# Altium PCB as14120_all.PcbDoc (part 3 of 4)
Units mm, origin at the board's own origin, x right, y up, seen from the top; angles counter-clockwise.
Board outline 130 x 100 mm, 6 copper layers (Top Layer, GND_top, Signal_Power, Signal_midle, GND_bot, Bottom Layer), stack 1.003 mm thick; 383 components, 353 nets, 2210 pads, 1060 vias.
Unrouted connection lines stored in the file: 634.
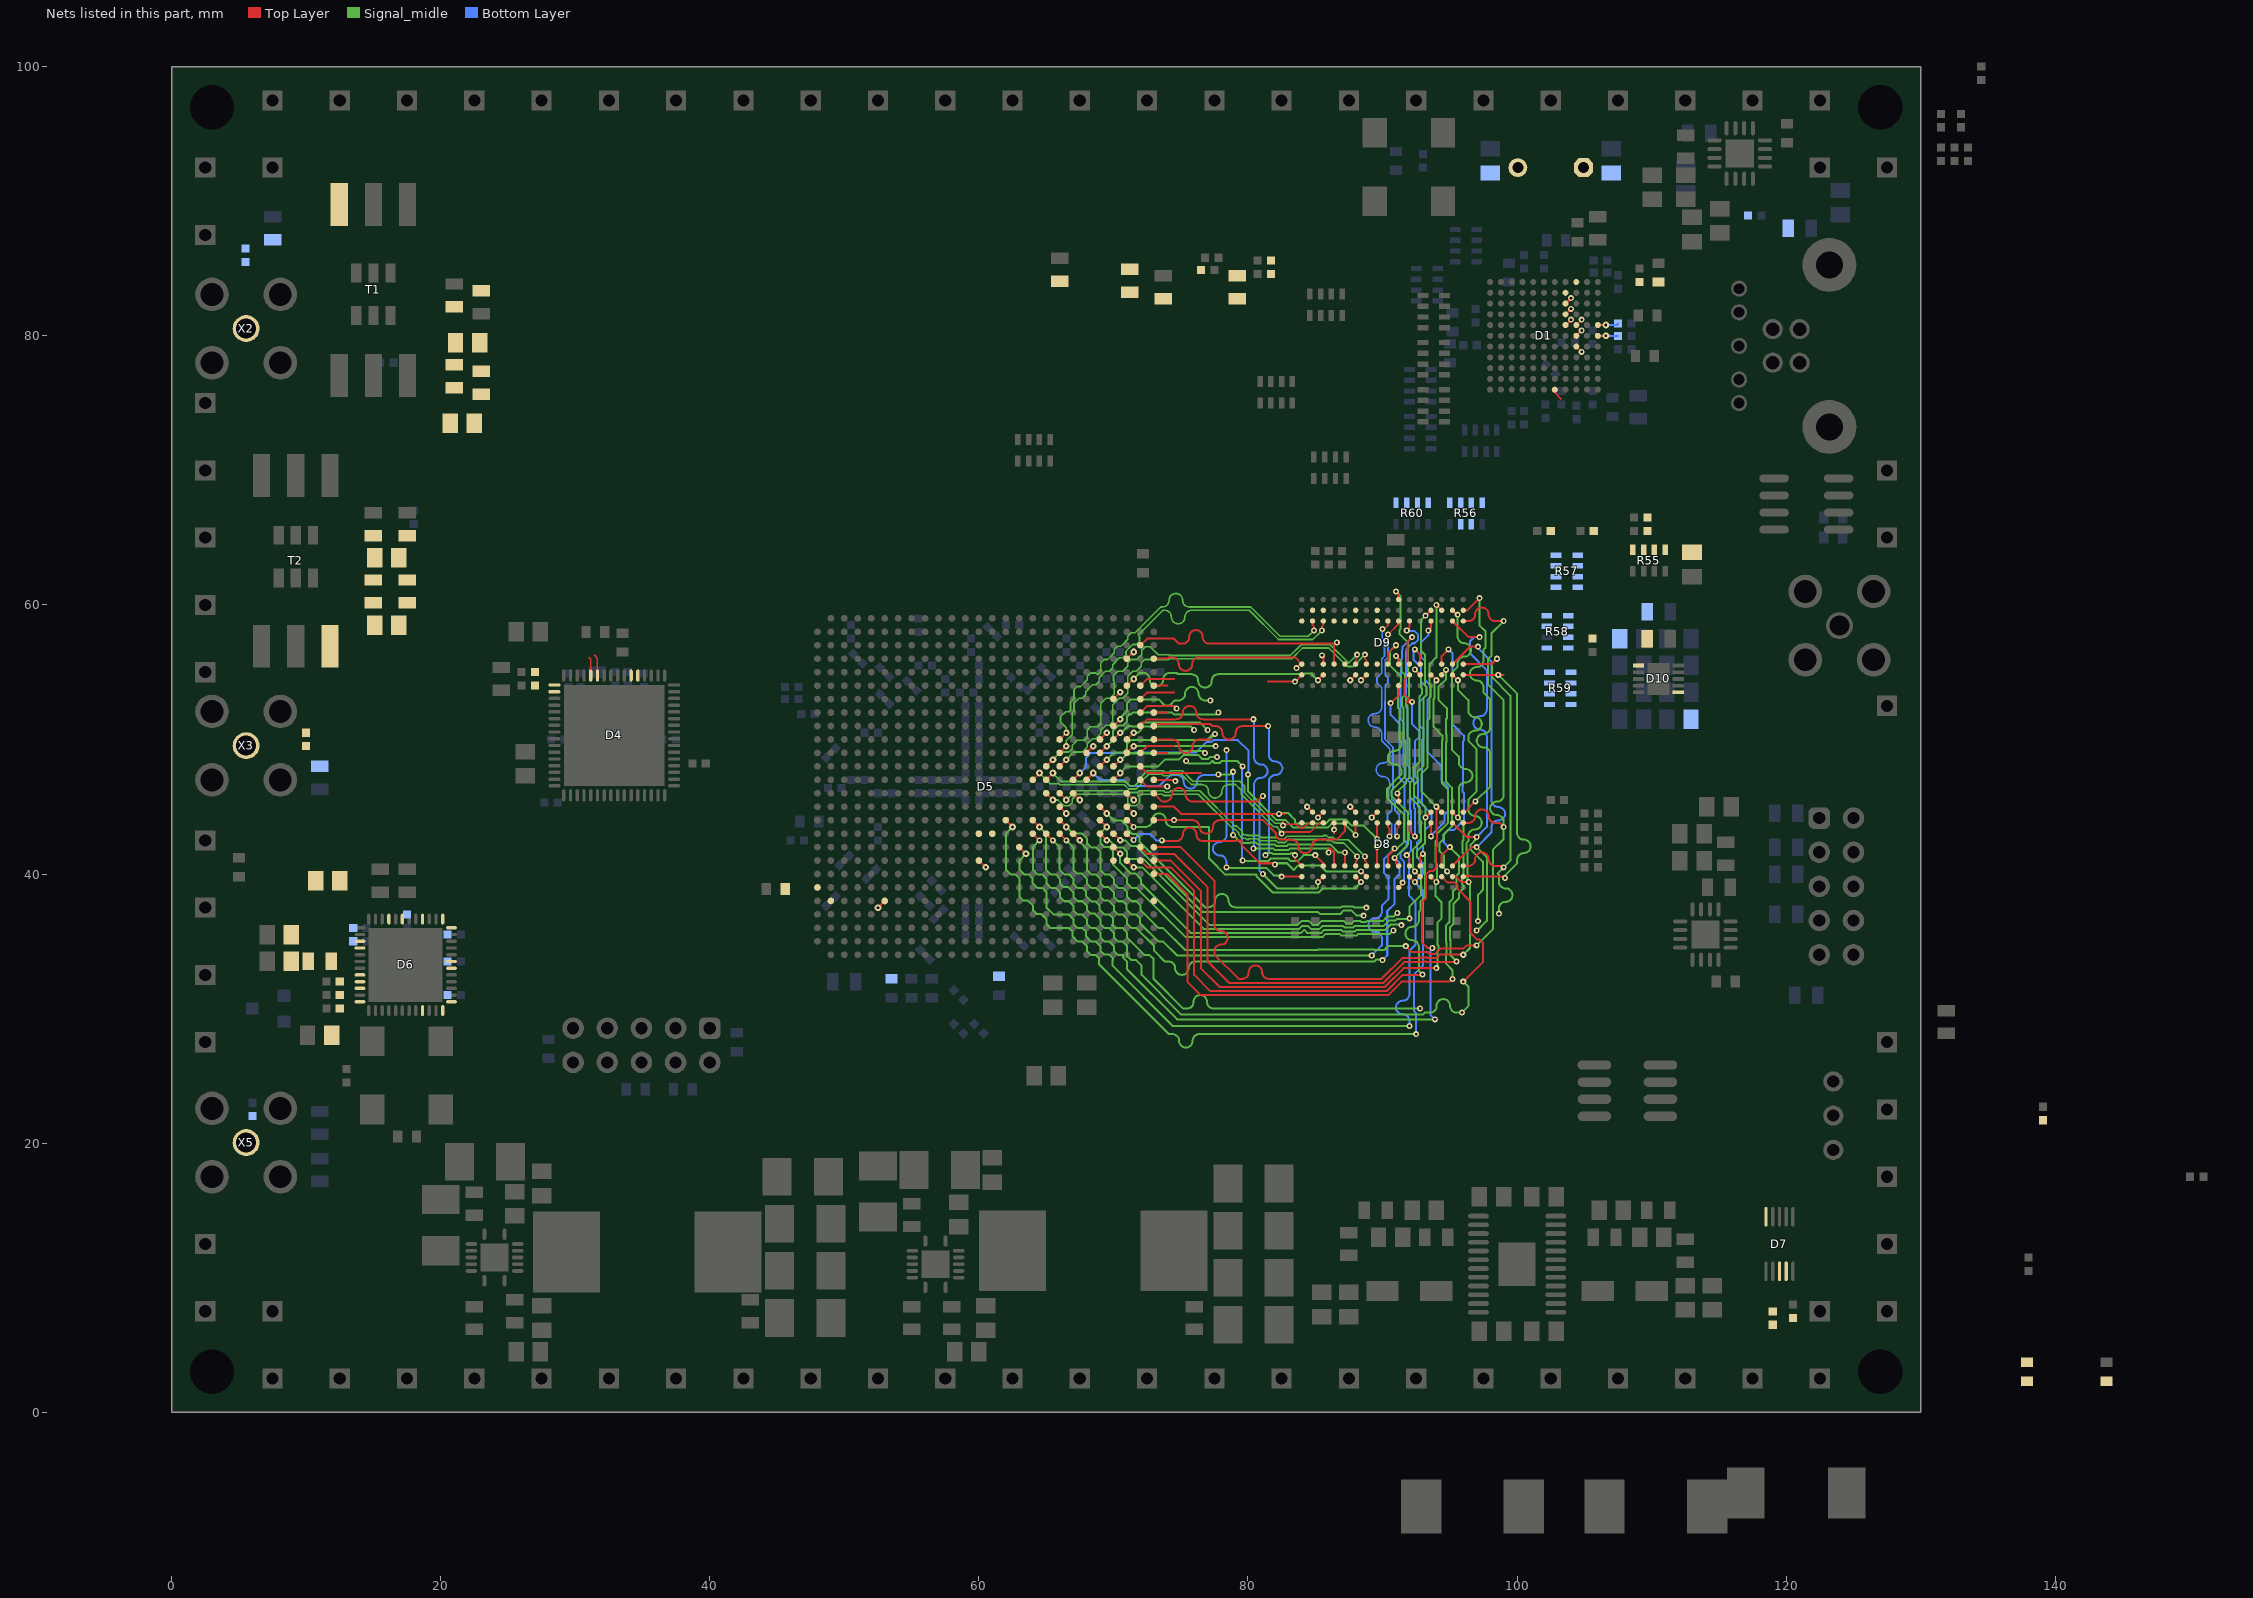
[diagram p6: the nets of this part, all layers, seen from the top]

## Via types
v1: diameter 0.5, hole 0.2, Top Layer to Bottom Layer, 705 vias
v2: diameter 0.45, hole 0.2, Top Layer to Bottom Layer, 314 vias
v3: diameter 0.5, hole 0.25, Top Layer to Bottom Layer, 38 vias
v4: diameter 0.45, hole 0.25, Top Layer to Bottom Layer, 3 vias

## Nets (pads, with @x,y where several pads share a name; then routed paths per layer and width w, separated by ;. In a path a pad name is that pad's centre, name@x,y a point inside that pad or via, vN(x,y) a via of type N, cw(c..) or ccw(c..) an arc to the next point about the centre after c; other vN are vias at no path point) (continued)
DDR_A2: D5.AF7 D8.P3 D9.P3 R59.5 | length 60.3
  Top Layer w0.15: D5.AF7@73,40 74,40 75.5,38.5 75.5,32 76.5,31 90.421,31 91.421,32 95,32 v2(95.2,32.2) ; D8.P3@94.4,40.6 94.4,41.4 v2(95,42) ; D9.P3@94.4,55.6 94.4,56.2 v2(94.9,56.7)
  Signal_midle w0.15: v2(95,42) 95.7,41.3 95.7,40.076 95.55,39.926 95.55,39.889 95.5,39.839 95.5,38.976 95.25,38.726 95.25,38.189 94.975,37.914 94.975,36.43 94.725,36.18 94.725,34.96 94.75,34.935 94.75,34.065 94.725,34.04 94.725,33.336 95.2,32.861 v2(95.2,32.2)
  Bottom Layer w0.15: v2(94.9,56.7) 95.2,56.4 95.2,54.636 95.15,54.586 95.15,54.214 95.15,51.186 96.05,50.286 96.05,49.914 95.975,49.839 95.975,48.309 95.991,48.309 95.991,46.528 95.95,46.486 95.95,46.114 96.05,46.014 96.05,44.014 95.323,43.286 94.9,43.286 94.55,42.936 94.55,42.35 94.9,42 v2(95,42)
DDR_A3: D5.AF8 D8.N2 D9.N2 R58.5 | length 52.8
  Top Layer w0.15: D5.AF8@73,41 74.25,41 76.5,38.75 76.5,33 77.9,31.6 90.173,31.6 91.573,33 v2(94,33) ; D8.N2@93.6,39.8 v2(94,39.4) ; D9.N2@93.6,54.8 v2(94,54.4)
  Signal_midle w0.15: v2(94,33) 94.075,33.075 94.075,34.239 94.15,34.314 94.15,34.686 94.075,34.761 94.075,36.379 94.375,36.679 94.375,37.921 93.95,38.346 93.95,39.35 v2(94,39.4) 94.05,39.45 94.05,40.738 93.95,40.838 93.95,42.435 94.05,42.535 94.05,42.986 94.85,43.786 94.85,46.286 94.425,46.711 94.425,47.493 ; v2(94,54.4) 93.85,54.25 93.85,53.041 93.8,52.991 93.8,50.936 94.45,50.286 94.45,49.914 94.418,49.882 94.418,47.493
DDR_A4: D5.U10 D8.P8 D9.P8 R56.6 | length 73.9
  Top Layer w0.15: D5.U10@64,43 v2(64.5,42.5) ; v2(93.7,34.5) 93.35,34.5 92.95,34.9 92.95,37.922 93.225,38.197 93.225,39.955 93.495,40.225 93.755,40.225 93.975,40.445 93.975,41.975 94.05,42.05 94.05,42.986 94,43.036 v2(94,45) ; v2(94,60) D9.P8@94.4,59.6 ; v2@94.136,44.875 94.005,45.005 v2(94,45) ; 94.2,44.8 v2(94,45) ; D8.P8@94.4,44.6 v2(94,45)
  Signal_midle w0.15: v2(64.5,42.5) 64.025,42.025 64.025,40.303 64.353,39.975 64.697,39.975 65.025,39.647 65.025,39.303 65.353,38.975 65.697,38.975 66.025,38.647 66.025,38.303 66.353,37.975 66.697,37.975 67.025,37.647 67.025,37.303 67.353,36.975 67.697,36.975 68.025,36.647 68.025,36.303 68.353,35.975 68.697,35.975 69.025,35.647 69.025,35.303 69.353,34.975 69.697,34.975 70.025,34.647 70.025,34.303 70.353,33.975 70.697,33.975 70.725,33.947 70.725,33.779 71.025,33.479 71.025,33.297 71.025,32.903 74.728,29.2 v2(93.9,29.2) ; v2(94,60) 94,56.1 93.5,55.6 93.5,54.085 93.55,54.035 93.55,53.165 93.5,53.115 93.5,51.576 93.35,51.426 93.35,47.926 92.9,47.476 92.9,46.1 v2(94,45) v2@94.005,45.005
  Bottom Layer w0.15: v2(93.7,34.5) 93.55,34.35 93.55,29.55 v2(93.9,29.2)
DDR_A5: D5.U11 D8.P2 D9.P2 R58.8 | length 72.3
  Top Layer w0.15: D5.U11@64,44 v1(64.5,43.5) ; D8.P2@94.4,39.8 94.825,39.375 95.355,39.375 95.575,39.155 95.575,38.895 96.55,37.92 96.55,35.614 97.014,35.15 97.186,35.15 97.45,34.886 97.45,33.45 v2(96,32) ; D9.P2@94.4,54.8 94.4,54.858 v2(94.721,55.179)
  Signal_midle w0.15: v1(64.5,43.5) 64.975,43.025 64.975,40.353 65.353,39.975 65.697,39.975 66.025,39.647 66.025,39.303 66.303,39.025 66.647,39.025 67.025,38.647 67.025,38.303 67.353,37.975 67.697,37.975 68.05,37.622 68.05,37.314 68.314,37.05 68.622,37.05 69.025,36.647 69.025,36.303 69.353,35.975 69.697,35.975 70.025,35.647 70.025,35.303 70.353,34.975 70.697,34.975 71.025,34.647 71.025,33.903 71.303,33.625 71.647,33.625 72.1,33.172 72.1,32.5 75.05,29.55 92.986,29.55 93.136,29.7 93.517,29.7 ccw(c93.517,30.2) 94.017,30.2 cw(c94.517,30.2) 95.017,30.2 ccw(c95.517,30.2) 95.517,29.7 v2(95.9,29.7) 96.4,30.2 96.4,31.6 v2(96,32) ; v2(94.721,55.179) 94.721,54.485 94.15,53.913 94.15,52.95 94.775,52.325 94.775,51.575 94.718,51.518 94.718,50.442 94.75,50.411 94.75,49.789 94.718,49.758 94.718,49.406 94.725,49.399 94.725,46.836 95.15,46.411 95.15,43.55 94.55,42.95 94.55,42.611 94.25,42.311 94.25,41.689 94.55,41.389 94.55,40.45 v2(94.8,40.2)
  Bottom Layer w0.15: v2(94.8,40.2) v2@94.95,40.05 ; v2(96,32) v2@96,32.036
DDR_A6: D5.AE9 D8.R8 D9.R8 R57.7 | length 62.1
  Top Layer w0.15: D5.AE9@72,42 72.5,41.5 74.5,41.5 77,39 77,33.5 78.6,31.9 90.049,31.9 91.598,33.45 92.935,33.45 92.985,33.5 93.215,33.5 93.265,33.45 95.45,33.45 v2(95.5,33.5) ; D8.R8@95.2,44.6 v2(95.6,44.2) ; D9.R8@95.2,59.6 95.521,59.279 v2(95.579,59.279)
  Signal_midle w0.15: v2(95.5,33.5) 95.05,33.95 95.05,35.059 95.025,35.084 95.025,36.056 95.275,36.306 95.275,37.79 95.7,38.215 95.7,38.6 96,38.9 96,39.163 95.9,39.263 95.9,39.851 96,39.951 96,41.515 95.95,41.565 95.95,42.435 96,42.485 96,43.8 v2(95.6,44.2) 95.675,44.275 95.675,46.307 cw(c96.175,46.307) 96.175,46.807 ccw(c96.175,47.307) 96.175,47.807 cw(c96.175,48.307) 95.675,48.307 95.675,48.725 95.15,49.25 95.15,54.971 95.579,55.4 95.579,55.654 cw(c96.079,55.654) 96.079,56.154 ccw(c96.079,56.654) 96.079,57.154 cw(c96.079,57.654) 95.579,57.654 v2(95.579,59.279)
DDR_A7: D5.AF9 D8.R2 D9.R2 R59.6 | length 59.1
  Top Layer w0.15: D5.AF9@73,42 75,42 77.5,39.5 77.5,36.254 ccw(c78,36.254) 78,35.754 cw(c78,35.254) 78,34.754 ccw(c78,34.254) 77.5,34.254 77.5,34 79.3,32.2 79.554,32.2 ccw(c79.554,32.7) 80.054,32.7 cw(c80.554,32.7) 81.054,32.7 ccw(c81.554,32.7) 81.554,32.2 89.924,32.2 91.474,33.75 92.81,33.75 92.861,33.8 93.339,33.8 93.389,33.75 94.011,33.75 94.261,34 v2(96,34) ; D8.R2@95.2,39.8 95.47,39.8 95.87,39.4 v2(96.4,39.4) ; D9.R2@95.2,54.8 v2(95.6,54.4)
  Signal_midle w0.15: v2(95.6,54.4) 95.6,53.698 96.375,52.924 96.375,52.154 ccw(c96.875,52.154) 96.875,51.654 cw(c96.875,51.154) 96.875,50.654 ccw(c96.875,50.154) 96.375,50.154 96.375,49.9 97,49.275 97,46.137 96.375,45.511 96.375,44.816 ccw(c96.875,44.816) 96.875,44.316 cw(c96.875,43.816) 96.875,43.316 ccw(c96.875,42.816) 96.375,42.816 96.375,42.435 96.25,42.311 96.25,41.689 96.3,41.639 96.3,39.5 v2@96.375,39.425 ; v2(96,34) 96.5,34.5 96.5,39.3 v2(96.4,39.4)
DDR_A8: D5.AB12 D8.T8 D9.T8 R57.8 | length 45.5
  Top Layer w0.15: D5.AB12@69,45 v1(69.5,44.5) ; D8.T8@96,44.6 96.1,44.6 v2@96.9,45.4 ; D9.T8@96,59.6 96.3,59.6 v2(97.2,60.5)
  Signal_midle w0.15: v1(69.5,44.5) 70.025,43.975 70.597,43.975 71.05,43.522 71.05,43.314 71.389,42.975 71.686,42.975 71.95,42.711 71.95,42.378 76.803,37.525 77.057,37.525 ccw(c77.057,38.025) 77.557,38.025 cw(c78.057,38.025) 78.557,38.025 ccw(c79.057,38.025) 79.057,37.525 86.929,37.525 87.005,37.601 87.427,37.601 87.453,37.575 87.821,37.575 87.896,37.5 v2(88.8,37.5) ; v2(96.9,45.4) 98,46.5 98,48.913 ccw(c97.5,48.913) 97.5,49.413 cw(c97.5,49.913) 97.5,50.413 ccw(c97.5,50.913) 98,50.913 98,53 97.5,53.5 97.5,53.881 ccw(c97,53.881) 97,54.381 cw(c97,54.881) 97,55.381 ccw(c97,55.881) 97.5,55.881 97.5,56.664 97.65,56.814 97.65,58.05 97.2,58.5 v2(97.2,60.5)
DDR_A9: D5.AB11 D8.R3 D9.R3 R59.7 | length 56.4
  Top Layer w0.15: D5.AB11@69,44 v1(69.5,43.5) ; D8.R3@95.2,40.6 96.6,42 v2(97,42) ; D9.R3@95.2,55.6 96.5,56.9 v2(97.1,56.9)
  Signal_midle w0.15: v1(69.5,43.5) 69.025,43.025 69.025,42.303 69.303,42.025 69.647,42.025 69.975,41.697 69.975,40.697 71.025,39.647 71.025,39.303 71.353,38.975 71.697,38.975 75.347,35.325 85.569,35.325 85.794,35.55 86.805,35.55 86.93,35.425 88.069,35.425 88.194,35.55 90.55,35.55 v2(90.8,35.8) ; v2(97,35.8) 97.036,35.8 97.75,36.514 97.75,41.25 v2(97,42)
  Bottom Layer w0.15: v2(97,42) 98.1,43.1 98.1,43.481 cw(c98.6,43.481) 98.6,43.981 ccw(c98.6,44.481) 98.6,44.981 cw(c98.6,45.481) 98.1,45.481 98.1,55.764 97.1,56.764 v2(97.1,56.9)
DDR_A10: D5.AC9 D8.L7 D9.L7 | length 43.9
  Top Layer w0.15: D5.AC9@70,42 v1(70.5,41.5) ; v2(91.8,58.1) 92,58.3 D9.L7@92,58.8 ; D8.L7@92,43.8 92,43.2 v2(92.4,42.8)
  Signal_midle w0.15: v1(70.5,41.5) 70.5,40.828 71.303,40.025 71.647,40.025 72.05,39.622 72.05,39.314 75.739,35.625 83.945,35.625 84.17,35.85 84.395,35.625 85.445,35.625 85.67,35.85 86.929,35.85 87.055,35.725 87.945,35.725 88.07,35.85 90.214,35.85 90.614,36.25 91.35,36.25 v2(91.4,36.2)
  Bottom Layer w0.15: v2(91.8,58.1) 91.75,58.05 92.386,58.05 92.65,57.786 92.65,57.414 92.386,57.15 92.214,57.15 91.8,56.736 91.8,56.576 91.75,56.526 91.75,53.5 91.75,52.399 91.85,52.299 91.85,48.074 92,47.924 92,47.249 92.35,46.899 92.35,44.901 92.4,44.851 v2(92.4,42.8)
DDR_A11: D5.AC8 D8.R7 D9.R7 R57.5 | length 29
  Top Layer w0.15: D8.R7@95.2,43.8 96.25,42.75 v2(97,42.75) ; D9.R7@95.2,58.8 96.4,57.6 v2(97.2,57.6)
  Signal_midle w0.15: v2(97,42.75) 97,42.636 96.55,42.186 96.55,41.814 97.45,40.914 97.45,38.814 97.1,38.464 v2(97.1,36.5)
  Bottom Layer w0.15: v2(97,42.75) 97.75,43.5 97.75,50.231 ccw(c97.25,50.231) 97.25,50.731 cw(c97.25,51.231) 97.25,51.731 ccw(c97.25,52.231) 97.75,52.231 97.75,55.15 96.5,56.4 96.5,57.3 96.8,57.6 v2(97.2,57.6)
DDR_A12: D5.AB10 D8.N7 D9.N7 R56.7 | length 45
  Top Layer w0.15: D5.AB10@69,43 v1(69.5,42.5) ; v2(93.4,58.1) 93.6,58.3 D9.N7@93.6,58.8 ; v2(93.6,42.8) 93.55,42.8 93.6,42.85 D8.N7@93.6,43.8
  Signal_midle w0.15: v1(69.5,42.5) 69.7,42.5 70.225,41.975 70.697,41.975 71,41.672 71,41.1 72.247,41.1 77.122,36.225 83.697,36.225 83.997,36.525 84.503,36.525 84.803,36.225 85.197,36.225 85.497,36.525 87.103,36.525 87.303,36.325 87.697,36.325 87.897,36.525 88.339,36.525 88.414,36.45 88.786,36.45 88.861,36.525 90.04,36.525 90.365,36.85 90.85,36.85 v2(91.1,37.1)
  Bottom Layer w0.15: v2(93.4,58.1) 93.4,57.739 92.85,57.189 92.85,56.15 93.15,55.85 93.15,54.435 93.55,54.035 93.55,53.165 93.35,52.965 93.35,49.05 94.4,48 94.4,46.926 94.85,46.476 94.85,44.65 94.6,44.4 94.6,43.85 93.55,42.8 v2(93.6,42.8)
DDR_A13: D5.AC10 D8.T3 D9.T3 R59.8 | length 49.4
  Top Layer w0.15: D5.AC10@70,43 v1(70.5,42.5) ; D8.T3@96,40.6 96.381,40.6 ccw(c96.381,41.1) 96.881,41.1 cw(c97.381,41.1) 97.881,41.1 ccw(c98.381,41.1) 98.381,40.6 98.9,40.6 v2(99,40.5) ; D9.T3@96,55.6 98.1,55.6 v2(98.5,56)
  Signal_midle w0.15: v1(70.5,42.5) 70.889,42.5 71.314,42.075 71.697,42.075 76.597,37.175 85.197,37.175 85.36,37.011 86.84,37.011 87.13,37.301 87.302,37.301 87.329,37.275 87.697,37.275 88.072,36.9 v2(88.6,36.9) ; v2(98.5,56) 98.15,55.65 98.15,54.613 99.5,53.263 99.5,41 v2(99,40.5) 98.55,40.05 98.65,39.95 98.65,39.431 ccw(c99.15,39.431) 99.15,38.931 cw(c99.15,38.431) 99.15,37.931 ccw(c99.15,37.431) 98.65,37.431 v2(98.65,37.05)
DDR_A14: D5.W11 D8.T7 D9.T7 R57.6 | length 72.7
  Top Layer w0.15: D5.W11@66,44 v1(66.5,43.5) ; v2(91.724,34.639) 92.164,34.2 93.364,34.2 93.514,34.05 93.886,34.05 94.286,34.45 96,34.45 96.25,34.7 v2(97,34.7) ; D8.T7@96,43.8 96.381,43.8 ccw(c96.381,44.3) 96.881,44.3 cw(c97.381,44.3) 97.881,44.3 ccw(c98.381,44.3) 98.381,43.8 98.7,43.8 v2(99,43.5) ; D9.T7@96,58.8 96.381,58.8 ccw(c96.381,59.3) 96.881,59.3 cw(c97.381,59.3) 97.881,59.3 ccw(c98.381,59.3) 98.381,58.8 v2(99,58.8)
  Signal_midle w0.15: v1(66.5,43.5) 66.975,43.025 67.647,43.025 68.025,42.647 68.025,42.303 68.353,41.975 68.697,41.975 69.025,41.647 69.025,40.303 69.353,39.975 69.697,39.975 70.025,39.647 70.025,39.303 70.353,38.975 70.697,38.975 71.025,38.647 71.025,38.303 71.353,37.975 71.697,37.975 72.025,37.647 72.025,37.303 73.353,35.975 73.697,35.975 75.322,34.35 83.686,34.35 84.813,34.35 85.186,34.35 85.236,34.4 89.386,34.4 89.436,34.35 90.119,34.35 90.408,34.639 v2(91.724,34.639) ; v2(97,34.7) 98.2,35.9 98.2,36.863 98.2,41.8 99,42.6 v2(99,43.5) 99,43.881 ccw(c98.5,43.881) 98.5,44.381 cw(c98.5,44.881) 98.5,45.381 ccw(c98.5,45.881) 99,45.881 99,52.9 97.85,54.05 97.85,55.986 98.1,56.236 98.1,57.9 v2(99,58.8)
DDR_BA0: D5.V10 D8.M2 D9.M2 | length 54.8
  Top Layer w0.15: D5.V10@65,43 v2(65.5,42.5) ; v2(92.4,40.2) D8.M2@92.8,39.8 ; v2(92.4,55.2) D9.M2@92.8,54.8
  Signal_midle w0.15: v2(65.5,42.5) 65.975,42.025 65.975,40.353 66.353,39.975 66.697,39.975 67.025,39.647 67.025,39.303 ; 67,39.3 67.325,38.975 67.697,38.975 67.975,38.697 67.975,38.353 68.378,37.95 68.686,37.95 68.95,37.686 68.95,37.378 69.353,36.975 69.697,36.975 69.975,36.697 69.975,36.303 69.886,36.214 70.125,35.975 70.697,35.975 71.025,35.647 71.025,35.275 72.325,33.975 72.697,33.975 72.975,33.697 72.975,32.225 75.2,30 75.454,30 ccw(c75.454,30.5) 75.954,30.5 cw(c76.454,30.5) 76.954,30.5 ccw(c77.454,30.5) 77.454,30 v2(92.8,30) ; v2(92.4,40.2) 92.25,40.35 92.25,41.811 92.85,42.41 92.85,43.914 92.75,44.014 92.75,44.989 92.05,45.689 92.05,46.777 92.3,47.027 92.3,47.9 92.75,48.35 92.75,53.214 92.95,53.413 92.95,53.786 92.85,53.886 92.85,54.75 v2(92.4,55.2)
DDR_BA1: D5.AD8 D8.N8 D9.N8 | length 49.1
  Top Layer w0.15: D5.AD8@71,41 v1(71.5,40.5) ; v2(93.2,44.2) D8.N8@93.6,44.6 ; v2(93.2,59.2) D9.N8@93.6,59.6
  Signal_midle w0.15: v1(71.5,40.5) 72.136,40.5 76.711,35.925 83.821,35.925 84.046,36.15 84.454,36.15 84.679,35.925 85.321,35.925 85.546,36.15 87.054,36.15 87.179,36.025 87.821,36.025 87.946,36.15 90.089,36.15 90.489,36.55 90.974,36.55 91.074,36.65 v2@91.95,36.65 ; v2(92,36.7) 92,37.564 92.85,38.414 92.85,41.014 92.55,41.314 92.55,41.686 93.15,42.286 93.15,44.15 v2(93.2,44.2) 93.2,44.964 92.35,45.814 92.35,46.653 92.6,46.903 92.6,47.6 93.05,48.05 93.05,53.089 93.25,53.289 93.25,53.911 93.15,54.01 93.15,56.314 92.85,56.614 92.85,58.85 v2(93.2,59.2)
DDR_BA2: D5.AE8 D8.M3 D9.M3 R58.7 | length 58.6
  Top Layer w0.15: D5.AE8@72,41 72.5,40.5 74.25,40.5 76,38.75 76,32.5 77.2,31.3 90.297,31.3 91.497,32.5 v2@92.95,32.5 ; v2(92.4,56.7) 92.8,56.3 D9.M3@92.8,55.6 ; D8.M3@92.8,40.6 92.8,41.3 v2(93,41.5)
  Signal_midle w0.15: v2(92.975,32.525) 92.7,32.8 92.7,34.578 ccw(c92.2,34.578) 92.2,35.078 cw(c92.2,35.578) 92.2,36.078 ccw(c92.2,36.578) 92.7,36.578 92.7,37.196 92.825,37.321 92.825,37.964 93.15,38.289 93.15,41.35 v2(93,41.5)
  Bottom Layer w0.15: v2(92.4,56.7) 92.3,56.8 92.3,55.936 92.85,55.386 92.85,54.31 93.25,53.911 93.25,53.289 92.75,52.789 92.75,51.011 93.05,50.711 93.05,50.089 92.95,49.989 92.95,45.15 93.65,44.45 93.65,43.75 93.15,43.25 93.15,42.286 93,42.136 v2(93,41.5)
DDR_CAS: D5.W10 D8.K3 D9.K3 | length 57.7
  Top Layer w0.15: D5.W10@66,43 v2(66.5,42.5) ; v2(90.9,41.2) 91,41.2 91,40.8 D8.K3@91.2,40.6 ; v2(91,56.2) 91.2,56 D9.K3@91.2,55.6
  Signal_midle w0.15: v2(66.5,42.5) 67.025,41.975 67.025,40.303 67.303,40.025 67.647,40.025 68.025,39.647 68.025,39.303 68.353,38.975 68.697,38.975 69.025,38.647 69.025,38.303 69.303,38.025 69.647,38.025 70.025,37.647 70.025,37.303 70.353,36.975 70.697,36.975 71.025,36.647 71.025,36.303 71.353,35.975 71.697,35.975 73.025,34.647 73.025,34.303 73.828,33.5 74.082,33.5 cw(c74.082,33) 74.582,33 ccw(c75.082,33) 75.582,33 cw(c76.082,33) 76.082,33.5 89.386,33.5 89.515,33.628 89.972,33.628 v2(90,33.6) ; v2(90.9,41.2) 91.9,42.2 91.9,44.563 90.65,45.814 90.65,46.186 91.4,46.936 91.4,46.976 91.7,47.276 91.7,49.939 91.55,50.089 91.55,52.389 91.45,52.489 91.45,53.111 91.675,53.336 91.675,54.799 91.4,55.074 91.4,55.8 v2(91,56.2)
  Bottom Layer w0.15: v2(90,33.6) 90.35,33.95 90.35,37.25 90.9,37.8 90.9,39.628 91.275,40.003 91.275,40.825 v2(90.9,41.2)
DDR_CK_N: D5.P10 D8.K7 D9.K7 R63.1 | length 18.3
  Top Layer w0.125: v2(90.4,57.8) 91.2,58.6 D9.K7@91.2,58.8 ; v2(91.087,42.8) 91.087,43.387 91.2,43.5 D8.K7@91.2,43.8
  Bottom Layer w0.125: v2(90.4,57.8) 90.4,56.1 90.2,55.9 90.2,54.783 90.412,54.571 90.412,54.229 90.2,54.017 90.2,52.883 90.187,52.871 90.187,50.013 90.777,49.423 90.777,46.26 90.687,46.171 90.687,45.566 90.925,45.329 90.925,44.694 91.238,44.381 91.238,44.019 90.925,43.706 90.925,42.963 v2(91.087,42.8)
DDR_CK_P: D5.N10 D8.J7 D9.J7 R64.2 | length 20.7
  Top Layer w0.125: v2(89.993,58.207) 90.107,58.207 90.4,58.5 D9.J7@90.4,58.8 ; D8.J7@90.4,43.8 90.4,43.5 90.512,43.387 v2(90.512,42.8)
  Bottom Layer w0.125: v2(89.993,58.207) 89.987,58.201 89.987,57.563 90.15,57.4 90.15,56.204 89.95,56.004 89.95,54.933 89.587,54.571 89.587,54.229 89.95,53.867 89.95,52.987 89.937,52.974 89.937,52.417 cw(c89.437,52.417) 89.437,51.917 ccw(c89.437,51.417) 89.437,50.917 cw(c89.437,50.417) 89.937,50.417 89.937,49.909 89.95,49.896 90.527,49.32 90.527,48.745 cw(c90.027,48.745) 90.027,48.245 ccw(c90.027,47.745) 90.027,47.245 cw(c90.027,46.745) 90.527,46.745 90.527,46.364 90.437,46.274 90.437,45.463 90.6,45.3 90.675,45.225 90.675,44.694 90.362,44.381 90.362,44.019 90.675,43.706 90.675,42.963 v2(90.512,42.8)
DDR_CKE: D5.AF14 D8.K9 D9.K9 R65.2 | length 19.2
  Top Layer w0.15: D5.AF14@73,47 74.5,47 v2(74.6,46.9) ; v2(91,61) 91.2,60.8 D9.K9@91.2,60.4 ; v2(91.1,46) v2@91.2,46 ; D8.K9@91.2,45.4 v2@91.2,46
  Signal_midle w0.15: v2(91,61) 91.35,60.65 91.35,58.214 91.275,58.139 91.275,57.825 91.9,57.2 91.9,55.049 91.975,54.974 91.975,53.211 91.75,52.986 91.75,52.613 91.85,52.513 91.85,50.214 92,50.064 92,47.151 91.75,46.901 91.75,46.75 91.1,46.1 v2@91.2,46 ; v2(91.1,46) v2@91.2,46
DDR_CS: D5.R11 D8.L2 D9.L2 | length 72.5
  Top Layer w0.15: D5.R11@62,44 v1(62.5,43.5) ; D9.L2@91.9,54.8 D9.L2@92,54.8 91.625,54.425 91.625,53.375 92,53 91.8,52.8 v2(92.2,52.8) ; D8.L2@92,39.8 v2(92.4,39.4)
  Signal_midle w0.15: v1(62.5,43.5) 62.025,43.025 62.025,40.303 62.353,39.975 62.697,39.975 63.025,39.647 63.025,38.303 63.303,38.025 63.647,38.025 64.025,37.647 64.025,37.303 64.303,37.025 64.647,37.025 65.025,36.647 65.025,36.303 65.353,35.975 66.697,35.975 66.975,35.697 66.975,35.353 67.353,34.975 67.697,34.975 68.025,34.647 68.025,34.303 68.353,33.975 68.697,33.975 68.925,33.747 68.925,33.303 74.128,28.1 74.382,28.1 cw(c74.382,27.6) 74.882,27.6 ccw(c75.382,27.6) 75.882,27.6 cw(c76.382,27.6) 76.382,28.1 v2(92.5,28.1)
  Bottom Layer w0.15: v2(92.2,52.8) 92.2,51.137 92.75,50.586 92.75,50.214 92.4,49.864 92.4,47.273 92.65,47.023 92.65,45.026 92.75,44.926 92.75,43.086 92.85,42.986 92.85,42.614 92.55,42.314 92.55,41.25 93,40.8 93,40 v2(92.4,39.4) 93,38.8 93,33.186 92.35,32.536 92.35,29.814 92.5,29.664 v2(92.5,28.1)
DDR_DM0: D5.AF11 D8.E7 | length 18.1
  Top Layer w0.15: D5.AF11@73,44 v2(74.5,44) 75.897,44 cw(c75.897,43.5) 76.397,43.5 ccw(c76.897,43.5) 77.397,43.5 cw(c77.897,43.5) 77.897,44 81.124,44 82.075,43.049 82.075,42.824 82.349,42.55 83.238,42.55 cw(c83.238,42.05) 83.738,42.05 ccw(c84.238,42.05) 84.738,42.05 cw(c85.238,42.05) 85.238,42.55 86.586,42.55 87.2,43.164 D8.E7@87.2,43.8
DDR_DM1: D5.AE18 D8.D3 | length 28.1
  Top Layer w0.15: D5.AE18@72,51 72.5,51.5 74.659,51.5 ccw(c74.659,52) 75.159,52 cw(c75.659,52) 76.159,52 ccw(c76.659,52) 76.659,51.5 v2(80.4,51.5) ; v2(86,41.6) 86,41.9 86.1,41.9 86.4,41.6 D8.D3@86.4,40.6
  Signal_midle w0.15: v2(80.4,41.9) 81.867,41.9 81.992,41.775 83.007,41.775 83.132,41.9 86,41.9
  Bottom Layer w0.15: v2(80.4,41.9) 80.45,41.95 80.45,46.649 cw(c80.95,46.649) 80.95,47.149 ccw(c80.95,47.649) 80.95,48.149 cw(c80.95,48.649) 80.45,48.649 80.45,51.45 v2(80.4,51.5)
DDR_DM2: D5.AE20 D9.E7 | length 2.7
  Top Layer w0.15: D5.AE20@72,53 72.5,53.5 74.5,53.5
DDR_DM3: D5.AE24 D9.D3 | length 17.8
  Top Layer w0.15: D5.AE24@72,57 72.5,57.5 74.5,57.5 74.875,57.125 75.129,57.125 ccw(c75.129,57.625) 75.629,57.625 cw(c76.129,57.625) 76.629,57.625 ccw(c77.129,57.625) 77.129,57.125 v2@86.525,57.125 ; D9.D3@86.4,55.6 86.4,57 v2@86.525,57.125 ; v2(86.6,57.2) v2@86.525,57.125
  Bottom Layer w0.15: v2@86.512,57.287 v2(86.6,57.2)
DDR_DQ0: D5.AA14 D8.E3 | length 27.8
  Top Layer w0.15: D5.AA14@68,47 v1(68.5,47.5) ; D8.E3@87.2,40.6 v2(87.2,41.6)
  Signal_midle w0.15: v2(77.8,47.4) 78.7,47.4 v2(78.9,47.6) ; v2(78.9,42.9) 79.5,42.3 80.164,42.3 80.214,42.35 80.586,42.35 80.736,42.2 81.992,42.2 82.117,42.075 82.883,42.075 83.008,42.2 86.124,42.2 86.724,41.6 v2(87.2,41.6)
  Bottom Layer w0.15: v1(68.5,47.5) 69.003,46.997 70.731,46.997 71.203,46.525 73.389,46.525 74.214,47.35 74.722,47.35 cw(c74.722,46.85) 75.222,46.85 ccw(c75.722,46.85) 76.222,46.85 cw(c76.722,46.85) 76.722,47.35 77.75,47.35 v2(77.8,47.4) ; v2(78.9,42.9) v2(78.9,47.6)
DDR_DQ1: D5.Y14 D8.F7 | length 28.5
  Top Layer w0.15: D5.Y14@67,47 v1(67.5,47.5) ; v2(88,42.9) D8.F7@88,43.8
  Signal_midle w0.15: v2(80,47.4) 80,46.139 82.114,44.025 82.486,44.025 82.491,44.03 82.774,44.03 83.354,43.45 85.913,43.45 86.213,43.75 87.15,43.75 v2(88,42.9)
  Bottom Layer w0.15: v1(67.5,47.5) 67.975,47.975 67.975,48.647 68.331,49.003 71.582,49.003 71.582,49.025 76.125,49.025 76.9,49.8 77.264,49.8 77.414,49.95 79.25,49.95 80.05,49.15 80.05,47.45 v2(80,47.4)
DDR_DQ2: D5.AD11 D8.F2 | length 23.1
  Top Layer w0.15: D5.AD11@71,44 v2(71.5,43.5) ; D8.F2@88,39.8 v2(88.4,39.4)
  Signal_midle w0.15: v2(71.5,43.5) 72.389,43.5 ccw(c72.389,44) 72.889,44 cw(c73.389,44) 73.889,44 ccw(c74.389,44) 74.389,43.5 77.1,43.5 77.1,41.164 78.314,39.95 80.65,39.95 80.65,39.814 81.839,38.625 84.488,38.625 85.249,38.625 85.549,38.925 87.925,38.925 v2(88.4,39.4)
DDR_DQ3: D5.AD12 D8.F8 | length 1.3
  Top Layer w0.15: D5.AD12@71,45 v1(71.5,44.5) ; v2(87.6,45) D8.F8@88,44.6
DDR_DQ4: D5.Y13 D8.H3 | length 2.1
  Top Layer w0.15: D5.Y13@67,46 v1(67.5,45.5) ; D8.H3@89.6,40.6 v2(89.6,42)
DDR_DQ5: D5.W12 D8.H8 | length 1.3
  Top Layer w0.15: D5.W12@66,45 v1(66.5,44.5) ; v2(89.2,44.2) D8.H8@89.6,44.6
DDR_DQ6: D5.AD10 D8.G2 | length 21.5
  Top Layer w0.15: D5.AD10@71,43 71.5,42.5 v2(71.5,42.525) ; v2(73.6,42.5) 73.65,42.45 74.666,42.45 ccw(c74.666,42.95) 75.166,42.95 cw(c75.666,42.95) 76.166,42.95 ccw(c76.666,42.95) 76.666,42.45 79.086,42.45 79.136,42.5 79.5,42.5 79.5,42.164 80.864,40.8 81.9,40.8 v2(82,40.7) ; v2(88.4,40.2) D8.G2@88.8,39.8
  Signal_midle w0.15: v2(82,40.7) 81.9,40.8 82.9,40.8 83.4,40.3 83.75,40.65 85.35,40.65 85.8,40.2 v2(88.4,40.2)
  Bottom Layer w0.15: v2(71.5,42.525) 71.95,42.975 72.697,42.975 73.172,42.5 v2(73.6,42.5)
DDR_DQ7: D5.AF12 D8.H7 | length 19.7
  Top Layer w0.15: D5.AF12@73,45 74.5,45 75.025,44.475 v2(82.3,44.475) 82.753,44.475 ; v2(89.6,42.6) D8.H7@89.6,43.8
  Signal_midle w0.15: v2(82.3,44.475) 82.357,44.532 82.993,44.532 83.478,44.047 83.478,43.75 85.789,43.75 86.089,44.05 87.274,44.05 87.724,43.6 88.6,43.6 v2(89.6,42.6)
DDR_DQ8: D5.AC15 D8.D7 | length 8.5
  Top Layer w0.15: D5.AC15@70,48 v1(70.5,48.5) ; v2(86.4,43.3) 86.4,43 D8.D7@86.4,43.8
  Signal_midle w0.15: v1(70.5,48.5) 70.596,48.5 71.071,48.975 74.914,48.975 75.089,49.15 76.7,49.15 76.85,49 v2(76.8,49)
DDR_DQ9: D5.AB15 D8.C3 | length 28.9
  Top Layer w0.15: D5.AB15@69,48 v1(69.5,48.5) ; v2(85,41.4) 85.6,40.8 D8.C3@85.6,40.6
  Signal_midle w0.15: v1(69.5,48.5) 70.025,49.025 70.697,49.025 71.025,49.353 71.025,49.697 71.303,49.975 77.124,49.975 v2@77.492,50.344 ; v2(75.4,48.4) 75.575,48.225 77.186,48.225 77.361,48.4 77.364,48.4 77.514,48.25 77.886,48.25 78.036,48.4 79.2,48.4 v2(79.6,48) ; 77,50 77.344,50.344 v2@77.492,50.344 ; v2(77.549,50.4) v2@77.492,50.344 ; v2(79.6,41) 79.65,40.95 81.486,40.95 81.686,41.15 82.974,41.15 83.174,40.95 83.686,40.95 84.136,41.4 v2(85,41.4)
  Bottom Layer w0.15: v2(79.6,41) 79.55,41.05 79.55,47.95 v2(79.6,48)
DDR_DQ10: D5.AC14 D8.C8 | length 9.2
  Top Layer w0.15: D5.AC14@70,47 v1(70.5,47.5) ; v2(85.2,44.2) D8.C8@85.6,44.6
  Signal_midle w0.15: v1(70.5,47.5) 71,48 73.328,48 73.828,48.5 74.864,48.5 75.214,48.85 76.313,48.85 76.613,48.55 77.05,48.55 77.2,48.7 v2(77.7,48.7)
DDR_DQ11: D5.AF13 D8.C2 | length 21.2
  Top Layer w0.15: D5.AF13@73,46 73.6,45.4 73.854,45.4 ccw(c73.854,45.9) 74.354,45.9 cw(c74.854,45.9) 75.354,45.9 ccw(c75.854,45.9) 75.854,45.4 80.7,45.4 v2(81.1,45.8) ; v2(85.2,39.4) D8.C2@85.6,39.8
  Signal_midle w0.15: v2(81.1,40) 82.175,38.925 84.364,38.925 85.125,38.925 85.2,39 v2(85.2,39.4)
  Bottom Layer w0.15: v2(81.1,40) 80.85,40.25 80.85,45.55 v2(81.1,45.8)
DDR_DQ12: D5.AB16 D8.A7 | length 10.8
  Top Layer w0.15: D5.AB16@69,49 v1(69.5,49.5)
  Signal_midle w0.15: v1(69.5,49.5) 69.975,49.975 69.975,50.647 70.353,51.025 70.697,51.025 71.025,51.353 71.025,51.697 71.192,51.864 71.288,51.864 71.424,52 74.363,52 74.513,51.85 77.65,51.85 v2(77.8,52)
DDR_DQ13: D5.AA16 D8.A2 | length 16.5
  Top Layer w0.15: D5.AA16@68,49 v1(68.5,49.5) ; v2(82.5,39.8) D8.A2@84,39.8
  Signal_midle w0.15: v2(78.4,40.5) 78.35,40.45 81.35,40.45 81.9,39.9 82.4,39.9 v2(82.5,39.8)
  Bottom Layer w0.15: v2(78.4,40.5) 78.4,40.881 ccw(c77.9,40.881) 77.9,41.381 cw(c77.9,41.881) 77.9,42.381 ccw(c77.9,42.881) 78.4,42.881 v2(78.4,49.2)
DDR_DQ14: D5.AE14 D8.B8 | length 2.8
  Top Layer w0.15: D5.AE14@72,47 72.5,46.5 v2(74,46.5) ; v2(84.4,45) D8.B8@84.8,44.6
DDR_DQ15: D5.AF18 D8.A3 | length 24
  Top Layer w0.15: D5.AF18@73,51 73.15,51.15 77.186,51.15 77.336,51 77.59,51 cw(c77.59,50.5) 78.09,50.5 ccw(c78.59,50.5) 79.09,50.5 cw(c79.59,50.5) 79.59,51 v2(81.5,51) ; v2(83.5,41.4) 83.5,41.1 D8.A3@84,40.6
  Signal_midle w0.15: v2(81.3,41.4) 81.45,41.55 81.793,41.55 81.868,41.475 83.132,41.475 83.207,41.55 83.35,41.55 v2(83.5,41.4)
  Bottom Layer w0.15: v2(81.3,41.4) 81.55,41.65 81.55,46.857 cw(c82.05,46.857) 82.05,47.357 ccw(c82.05,47.857) 82.05,48.357 cw(c82.05,48.857) 81.55,48.857 81.55,50.95 v2(81.5,51)
DDR_DQ16: D5.AD16 D9.E3 | length 6.8
  Top Layer w0.15: D5.AD16@71,49 v1(71.5,49.5)
  Signal_midle w0.15: v1(71.5,49.5) v2(77.6,49.5)
DDR_DQ17: D5.AD17 D9.F7 | length 5.5
  Top Layer w0.15: D5.AD17@71,50 v1(71.5,50.5)
  Signal_midle w0.15: v1(71.5,50.5) 71.828,50.5 72.303,50.975 75.725,50.975 v2(76,50.7)
DDR_DQ18: D5.AC18 D9.F2 | length 10.5
  Top Layer w0.15: D5.AC18@70,51 v1(70.5,51.5) ; v2(87.6,54.4) D9.F2@88,54.8
  Signal_midle w0.15: v1(70.5,51.5) 70.5,51.596 71.025,52.121 71.025,52.697 71.303,52.975 73.353,52.975 73.803,52.525 74.197,52.525 74.572,52.9 74.826,52.9 ccw(c74.826,53.4) 75.326,53.4 cw(c75.826,53.4) 76.326,53.4 ccw(c76.826,53.4) 76.826,52.9 v2(77.2,52.9)
DDR_DQ19: D5.AF19 D9.F8 | length 1
  Top Layer w0.15: D5.AF19@73,52 74,52
DDR_DQ20: D5.AC17 D9.H3 | length 7.9
  Top Layer w0.15: D5.AC17@70,50 v1(70.5,50.5) ; D9.H3@89.6,55.6 D9.H3@89.65,55.65
  Signal_midle w0.15: v1(70.5,50.5) 70.596,50.5 71.096,51 71.328,51 71.351,50.977 71.881,50.977 72.179,51.275 76.425,51.275 v2(77,50.7)
DDR_DQ21: D5.AB17 D9.H8 | length 0.7
  Top Layer w0.15: D5.AB17@69,50 v1(69.5,50.5)
DDR_DQ22: D5.AF21 D9.G2 | length 1.6
  Top Layer w0.15: D5.AF21@73,54 74,54 ; v2(88.4,54.4) D9.G2@88.8,54.8
DDR_DQ23: D5.AE21 D9.H7 | length 2.7
  Top Layer w0.15: D5.AE21@72,54 72.5,54.5 74.5,54.5
DDR_DQ24: D5.AE15 D9.D7 | length 4.7
  Top Layer w0.15: D5.AE15@72,48 72.5,47.5 76.5,47.5
DDR_DQ25: D5.AE16 D9.C3 | length 3.4
  Top Layer w0.15: D5.AE16@72,49 72.5,49.5 74.5,49.5 ; v2(85.5,56.25) 85.6,56.15 D9.C3@85.6,55.6
DDR_DQ26: D5.AC20 D9.C8 | length 0.7
  Top Layer w0.15: D5.AC20@70,53 v1(70.5,53.5)
DDR_DQ27: D5.AD21 D9.C2 | length 17.7
  Top Layer w0.15: D5.AD21@71,54 v1(71.5,54.5) ; v2(85.2,54.4) D9.C2@85.6,54.8
  Signal_midle w0.15: v1(71.5,54.5) 71.95,54.95 72.204,54.95 cw(c72.204,54.45) 72.704,54.45 ccw(c73.204,54.45) 73.704,54.45 cw(c74.204,54.45) 74.204,54.95 74.686,54.95 74.786,54.85 75.802,54.85 cw(c75.802,54.35) 76.302,54.35 ccw(c76.802,54.35) 77.302,54.35 cw(c77.802,54.35) 77.802,54.85 84.178,54.85 84.228,54.9 84.7,54.9 v2(85.2,54.4)
DDR_DQ28: D5.AF16 D9.A7 | length 1
  Top Layer w0.15: D5.AF16@73,49 74,49
DDR_DQ29: D5.AF17 D9.A2 | length 8
  Top Layer w0.15: D5.AF17@73,50 74,50 74.381,50 cw(c74.381,49.5) 74.881,49.5 ccw(c75.381,49.5) 75.881,49.5 cw(c76.381,49.5) 76.381,50 77.2,50 ; 81.5,54.3 v2(83.5,54.3) D9.A2@84,54.8
DDR_DQ30: D5.AD23 D9.B8 | length 0.9
  Top Layer w0.15: D5.AD23@71,56 v1(71.5,56.5)
  Signal_midle w0.15: v1(71.5,56.5) v1@71.5,56.724
DDR_DQ31: D5.AF23 D9.A3 | length 12.9
  Top Layer w0.15: D5.AF23@73,56 74,56 74.1,56.1 74.354,56.1 cw(c74.354,55.6) 74.854,55.6 ccw(c75.354,55.6) 75.854,55.6 cw(c76.354,55.6) 76.354,56.1 83.5,56.1 D9.A3@84,55.6 83.9,55.6 v2(83.6,55.3)
DDR_DQS0_N: D5.W13 D8.G3 | length 27.1
  Top Layer w0.125: D5.W13@66,46 v1(66.5,45.5) ; v2(88.687,41.3) 88.687,41.012 88.8,40.9 D8.G3@88.8,40.6
  Signal_midle w0.125: 66.963,45.962 v1(66.5,45.5) 66.528,45.5 67.215,46.188 70.886,46.188 71.012,46.062 71.788,46.062 71.913,46.188 73.729,46.188 73.829,46.087 74.171,46.087 74.271,46.188 76.413,46.188 79.037,43.563 79.174,43.563 79.563,43.174 79.563,43.037 79.688,42.913 79.912,42.913 79.982,42.843 80.001,42.863 80.799,42.863 80.949,42.713 82.204,42.713 82.329,42.587 82.671,42.587 82.896,42.813 85.551,42.813 85.601,42.862 85.83,42.862 85.98,42.713 86.336,42.713 86.461,42.587 86.674,42.587 86.711,42.55 87.446,42.55 88.687,41.308 v2(88.687,41.3)
DDR_DQS0_P: D5.V13 D8.F3 | length 28.9
  Top Layer w0.125: D5.V13@65,46 v1(65.5,45.5) ; D8.F3@88,40.6 88,40.9 88.112,41.012 v2(88.112,41.3) v2@88.275,41.3
  Signal_midle w0.125: v1(65.5,45.5) 65.881,45.5 66.319,45.062 66.681,45.062 66.938,45.319 66.938,45.556 67.319,45.938 70.783,45.938 70.908,45.812 71.194,45.812 71.062,45.681 71.062,45.319 71.319,45.062 71.681,45.062 71.937,45.319 71.937,45.681 71.806,45.812 71.892,45.812 72.017,45.938 73.626,45.938 73.726,45.837 74.274,45.837 74.374,45.938 76.309,45.938 78.934,43.313 79.071,43.313 79.313,43.071 79.313,42.934 79.584,42.663 79.809,42.663 79.909,42.563 80.055,42.563 80.105,42.613 80.695,42.613 80.845,42.463 82.1,42.463 82.225,42.337 82.774,42.337 82.999,42.563 85.655,42.563 85.705,42.612 85.726,42.612 85.876,42.463 86.233,42.463 86.358,42.337 86.57,42.337 86.607,42.3 87.112,42.3 v2(88.112,41.3)
DDR_DQS1_N: D5.V14 D8.B7 | length 23.7
  Top Layer w0.125: D5.V14@65,47 v1(65.5,47.5) ; v2(82.6,43.6) v2@82.6,43.7 ; 82.6,43.9 v2@82.6,43.7 ; D8.B7@84.8,43.8 84.5,43.8 84.362,43.663 84.362,43.65 84.15,43.437 83.85,43.437 83.587,43.7 v2@82.6,43.7
  Signal_midle w0.125: v1(65.5,47.5) 66.123,46.877 70.962,46.877 70.962,46.819 71.219,46.562 71.581,46.562 71.837,46.819 71.837,46.991 72.509,47.663 73.719,47.663 73.819,47.562 74.181,47.562 74.281,47.663 75.137,47.663 75.9,46.9 79.4,46.9 79.737,46.563 79.737,46.03 82.005,43.762 82.595,43.762 82.6,43.767 v2(82.6,43.6)
DDR_DQS1_P: D5.U14 D8.C7 | length 26.6
  Top Layer w0.125: D5.U14@64,47 v1(64.5,47.5) ; v2(82.5,43) 82.5,43.025 82.6,43.125 84.638,43.125 85.162,43.65 85.162,43.663 85.287,43.787 85.371,43.787 85.383,43.8 D8.C7@85.6,43.8
  Signal_midle w0.125: v1(64.5,47.5) 65.3,46.7 65.946,46.7 66.02,46.627 70.801,46.627 71.115,46.312 71.685,46.312 72.087,46.715 72.087,46.887 72.613,47.413 73.615,47.413 73.715,47.312 74.285,47.312 74.385,47.413 75.034,47.413 75.796,46.65 76.558,46.65 cw(c76.558,46.15) 77.058,46.15 ccw(c77.558,46.15) 78.058,46.15 cw(c78.558,46.15) 78.558,46.65 79.075,46.65 79.487,46.238 79.487,45.926 81.901,43.512 82.187,43.512 82.187,43.429 82.337,43.279 82.337,43.191 82.491,43.037 82.512,43.037 82.5,43.025 v2(82.5,43)
DDR_DQS2_N: D5.W15 D9.G3 | length 29.9
  Top Layer w0.125: D5.W15@66,48 v1(66.5,48.5) ; v2(88.688,56.3) 88.688,56.012 88.8,55.9 D9.G3@88.8,55.6
  Signal_midle w0.125: v1(66.5,48.5) 67.062,49.062 67.681,49.062 68.062,49.444 68.062,49.681 68.444,50.062 68.681,50.062 69.062,50.444 69.062,50.681 69.444,51.062 69.681,51.062 69.937,51.319 69.937,52.556 70.444,53.062 70.681,53.062 71.062,53.444 71.062,54.681 71.444,55.062 71.681,55.062 72.062,55.444 72.062,55.681 72.319,55.938 74.1,55.938 74.156,55.994 83.247,55.994 84.054,56.8 86,56.8 87.373,55.427 87.823,55.427 88.688,56.292 v2(88.688,56.3)
DDR_DQS2_P: D5.V15 D9.F3 | length 31.6
  Top Layer w0.125: D5.V15@65,48 v1(65.5,48.5) ; D9.F3@88,55.6 88,55.9 88.112,56.012 v2(88.112,56.3)
  Signal_midle w0.125: v1(65.5,48.5) 66.062,49.062 66.681,49.062 66.938,49.319 66.938,49.556 67.319,49.937 67.863,49.937 68.062,50.137 68.062,50.681 68.319,50.937 68.837,50.937 69.062,51.162 69.062,52.681 69.444,53.062 69.762,53.062 70.062,53.362 70.062,54.319 70.002,54.379 70.002,54.742 70.323,55.062 70.681,55.062 71.062,55.444 71.062,55.681 71.319,55.937 71.737,55.937 72.105,56.305 72.105,56.638 72.367,56.9 72.719,56.9 73.319,56.3 74.1,56.3 74.156,56.244 83.144,56.244 83.95,57.05 86.104,57.05 87.477,55.677 87.489,55.677 v2(88.112,56.3)
DDR_DQS3_N: D5.W17 D9.B7 | length 29
  Top Layer w0.125: D5.W17@66,50 v2(66.5,50.5) ; D9.B7@84.8,58.7 D9.B7@84.8,58.8 84.8,58.5 84.912,58.387 v2(84.912,58.1)
  Signal_midle w0.125: v2(66.5,50.5) 66.5,50.881 66.062,51.319 66.062,51.681 66.444,52.062 66.681,52.062 66.823,52.204 66.812,52.215 66.812,52.785 67.062,53.035 67.062,53.681 67.319,53.937 67.556,53.937 68.062,54.444 68.062,54.681 68.319,54.937 68.681,54.937 68.809,54.809 69.1,55.1 69.062,55.138 69.062,55.681 69.319,55.937 69.556,55.937 70.062,56.444 70.062,56.681 70.319,56.937 70.556,56.937 71.062,57.444 71.062,57.681 71.319,57.938 71.6,57.938 73.512,59.85 73.639,59.85 ccw(c73.639,60.35) 74.139,60.35 cw(c74.639,60.35) 75.139,60.35 ccw(c75.639,60.35) 75.639,59.85 80.204,59.85 82.377,57.677 84.489,57.677 v2(84.912,58.1)
DDR_DQS3_P: D5.W16 D9.C7 | length 29.5
  Top Layer w0.125: D5.W16@66,49 v1(66.5,49.5) ; v2(85.487,58.1) 85.487,58.387 85.6,58.5 D9.C7@85.6,58.8
  Signal_midle w0.125: v1(66.5,49.5) 66.5,49.917 66.938,50.354 66.938,51.965 67.073,52.101 67.073,52.308 67.062,52.319 67.062,52.681 67.444,53.062 67.681,53.062 67.938,53.319 67.938,53.556 68.444,54.062 68.681,54.062 68.937,54.319 68.937,54.584 69.416,55.062 69.681,55.062 69.937,55.319 69.937,55.556 70.444,56.062 70.681,56.062 70.937,56.319 70.937,56.556 71.444,57.063 71.681,57.063 71.937,57.319 71.937,57.681 71.85,57.769 73.681,59.6 73.808,59.6 cw(c73.808,59.1) 74.308,59.1 ccw(c74.808,59.1) 75.308,59.1 cw(c75.808,59.1) 75.808,59.6 80.1,59.6 82.273,57.427 84.823,57.427 85.487,58.092 v2(85.487,58.1)
DDR_ODT: D5.AD13 D8.K1 D9.K1 | length 17
  Top Layer w0.15: D5.AD13@71,46 v1(71.5,45.5) ; v2(90.6,52.7) 91.2,53.3 D9.K1@91.2,54 ; D8.K1@91.2,39 91.558,39.358 v2(91.5,39.358)
  Bottom Layer w0.15: v2(90.6,52.7) 90.6,51.836 91.25,51.186 91.25,47.15 91.65,46.75 91.65,42.489 91.8,42.339 91.8,42.036 91.35,41.586 91.35,41.174 91.6,40.924 91.6,39.4 91.558,39.358 v2(91.5,39.358)
DDR_RAS: D5.Y10 D8.J3 D9.J3 | length 59.4
  Top Layer w0.15: D5.Y10@67,43 v1(67.5,42.5) ; D8.J3@90.4,40.6 90.4,41.336 90.963,41.9 v2(90.9,41.9) ; D9.J3@90.4,55.6 90.4,56.4 v2(91,57)
  Signal_midle w0.15: v1(67.5,42.5) 67.5,42.404 68.025,41.879 68.025,40.303 68.353,39.975 68.697,39.975 69.025,39.647 69.025,39.303 69.303,39.025 69.647,39.025 70.025,38.647 70.025,38.303 70.353,37.975 70.697,37.975 70.975,37.697 70.975,37.353 71.353,36.975 71.697,36.975 71.975,36.697 71.975,36.353 73.353,34.975 73.697,34.975 74.722,33.95 v2(89.2,33.95) ; v2(90.9,41.9) 91.1,41.9 91.6,42.4 91.6,44.4 90.35,45.65 90.35,46.35 91.4,47.4 91.4,47.654 ccw(c90.9,47.654) 90.9,48.154 cw(c90.9,48.654) 90.9,49.154 ccw(c90.9,49.654) 91.4,49.654 91.4,49.815 91.25,49.965 91.25,52.265 91.15,52.365 91.15,54.056 91.375,54.281 91.375,54.675 90.55,55.5 90.55,56.55 v2(91,57)
  Bottom Layer w0.15: v2(89.2,33.95) 89.95,34.7 89.95,35.208 ccw(c89.45,35.208) 89.45,35.708 cw(c89.45,36.208) 89.45,36.708 ccw(c89.45,37.208) 89.95,37.208 89.95,37.65 90.45,38.15 90.45,39.75 90.1,40.1 90.1,41.1 v2(90.9,41.9)
DDR_RESET_N: D5.AE19 D8.T2 D9.T2 R66.2 | length 26.9
  Top Layer w0.15: D5.AE19@72,52 72.5,52.5 74.5,52.5 v2(74.7,52.3) ; D8.T2@96,39.8 96.05,39.85 96.586,39.85 96.636,39.8 99,39.8 v2@99.1,39.7 ; D9.T2@96,54.8 99,54.8 v2(98.6,54.8)
  Signal_midle w0.15: v2(98.6,54.8) 100,53.4 100,43.054 ccw(c100.5,43.054) 100.5,42.554 cw(c100.5,42.054) 100.5,41.554 ccw(c100.5,41.054) 100,41.054 100,40.8 99,39.8 v2@99.1,39.7
  other v2: 99.1,39.7
DDR_WE: D5.T9 D8.L3 D9.L3 | length 72.2
  Top Layer w0.15: D5.T9@63,42 v1(63.5,41.5) ; v2(91.8,41.4) 92,41.2 D8.L3@92,40.6 ; D9.L3@92,55.6 91.85,55.75 91.85,57.25 v2(92.2,57.6)
  Signal_midle w0.15: v1(63.5,41.5) 63.025,41.025 63.025,40.303 63.353,39.975 63.697,39.975 63.975,39.697 63.975,39.353 64.353,38.975 64.697,38.975 65.025,38.647 65.025,37.503 65.553,36.975 66.697,36.975 67.025,36.647 67.025,36.303 67.353,35.975 67.697,35.975 67.975,35.697 67.975,35.353 68.353,34.975 68.697,34.975 69.025,34.647 69.025,34.303 69.303,34.025 69.647,34.025 69.975,33.697 69.975,33.647 69.925,33.597 69.925,33.203 74.428,28.7 v2(92,28.7)
  Bottom Layer w0.15: v2(92,28.7) 92,29.081 ccw(c91.5,29.081) 91.5,29.581 cw(c91.5,30.081) 91.5,30.581 ccw(c91.5,31.081) 92,31.081 92,34.279 92.45,34.729 92.45,37.914 91.95,38.414 91.95,39.114 91.95,39.214 91.95,41.25 v2(91.8,41.4) 92.1,41.7 92.1,42.463 91.95,42.614 91.95,42.986 92.1,43.136 92.1,44.727 92.05,44.777 92.05,46.774 91.65,47.174 91.65,47.85 91.55,47.95 91.55,51.311 91.35,51.511 91.35,54.256 91.375,54.281 91.375,55.939 91.45,56.014 91.45,56.386 91.45,56.65 91.5,56.7 91.5,56.9 v2(92.2,57.6)
FPGA_CONF_DONE: D1.D3 D5.A6 R82.2 | length 0.6
  Top Layer w0.15: D1.D3@103.607,82.4 v2@104.007,82.8
  other v2: 104,82.8
FPGA_DATA0: D1.D5 D5.AF5 | length 0.6
  Top Layer w0.15: D1.D5@103.607,80.8 v2@104.007,81.2
  other v2: 104,81.2
FPGA_DCLK: D1.D4 D5.N8 R83.2 | length 1.3
  Top Layer w0.15: D5.N8@60,41 v1(60.5,40.5) ; D1.D4@103.607,81.6 v2@104.007,82
  other v2: 104,82
FPGA_NCONFIG: D1.C1 D5.F5 R81.2 | length 0.7
  Top Layer w0.15: v1(52.5,37.5) D5.F5@53,38
FPGA_NSTATUS: D1.D2 D5.B5
NetC1_1: C1.1 D1.E11 R1.1 | length 0.9
  Top Layer w0.1: D1.E11@102.8,76 102.8,75.8 103.3,75.3
NetC2_2: C2.2 D1.A5 | length 1.5
  Top Layer w0.15: D1.A5@106,80.8 v1(106.6,80.8)
  Bottom Layer w0.15: v1(106.6,80.8) 107.4,80.8 C2.2@107.5,80.9
NetC3_2: C3.2 D1.A6 | length 1.5
  Top Layer w0.15: D1.A6@106,80 v1(106.6,80)
  Bottom Layer w0.15: v1(106.6,80) C3.2@107.5,80
NetC4_2: C4.2 D1.C7 ZQ1.1 | length 0.6
  Top Layer w0.15: D1.C7@104.4,79.2 v2@104.8,78.8
  other v2: 104.8,78.807
NetC5_2: C5.2 D1.C6 ZQ1.2 | length 0.6
  Top Layer w0.15: D1.C6@104.407,80 v2@104.807,80.4
  other v2: 104.8,80.4
NetC9_2: C9.2 D1.C5 R26.1 | length 0.6
  Top Layer w0.15: D1.C5@104.407,80.8 v2@104.807,81.2
  other v2: 104.8,81.2
NetC37_1: C37.1 X2.1
NetC37_2: C37.2 R33.2 T1.4
NetC38_1: C38.1 R35.1 R36.2
NetC38_2: C38.2 R31.1 R32.2
NetC39_1: C39.1 D4.38 R36.1
NetC39_2: C39.2 D4.37 R32.1
NetC43_2: C43.2 D4.49
NetC44_2: C44.2 D4.50
NetC45_1: C45.1 X3.1
NetC45_2: C45.2 R42.2 T2.4
NetC46_1: C46.1 R44.1 R45.2
NetC46_2: C46.2 R40.1 R41.2
NetC47_1: C47.1 D4.43 R45.1 | length 1.7
  Top Layer w0.1: 31.4,56.3 31.65,56.05 D4.43@31.65,54.75
NetC47_2: C47.2 D4.44 R41.1 | length 1.4
  Top Layer w0.1: 31,56.1 31.15,55.95 D4.44@31.15,54.75
NetC56_2: C56.2 C57.2 C58.2 C59.2 C60.2 D6.10 D6.21 D6.24 D6.25 D6.30 D6.31 D6.36 D6.37 D6.40 D6.43 D6.45 L6.1 L7.2
NetC61_1: C61.1 C64.1 D7.10 R48.2
NetC61_2: C61.2 D7.3 D7.4 R47.1 R48.1
NetC62_2: C62.2 C63.2 D6.3 L7.1
NetC65_2: C65.2 D6.12
NetC66_2: C66.2 D6.9
NetC67_2: C67.2 R51.2
NetC68_2: C68.2 D6.4 D6.8 R51.1
NetC69_1: C69.1 X5.1
NetC70_1: C70.1 C71.1 C72.1 C73.1 C74.1 C75.1 C76.2 C77.2 L8.1 R55.1 R55.2 R55.3 R55.4 R56.1 R56.2 R56.3 R56.4 R57.1 R57.2 R57.3 R57.4 R58.1 R58.2 R58.3 R58.4 R59.1 R59.2 R59.3 R59.4 R60.1 R60.2 R60.3 R60.4
NetC78_2: C78.2 R63.2 R64.1
NetC103_2: C103.2 D10.6
NetC120_2: C120.2 D10.1 R67.1 R68.2